# Altium PCB MD070B.PcbDoc (part 2 of 2)
Units mil, origin at the board's own origin, x right, y up, seen from the top; angles counter-clockwise.
Board outline 4255 x 2850 mil, 4 copper layers (Top Layer, Ground, Power, Bottom Layer), stack 61.6 mil thick; 162 components, 83 nets, 459 pads, 454 vias.
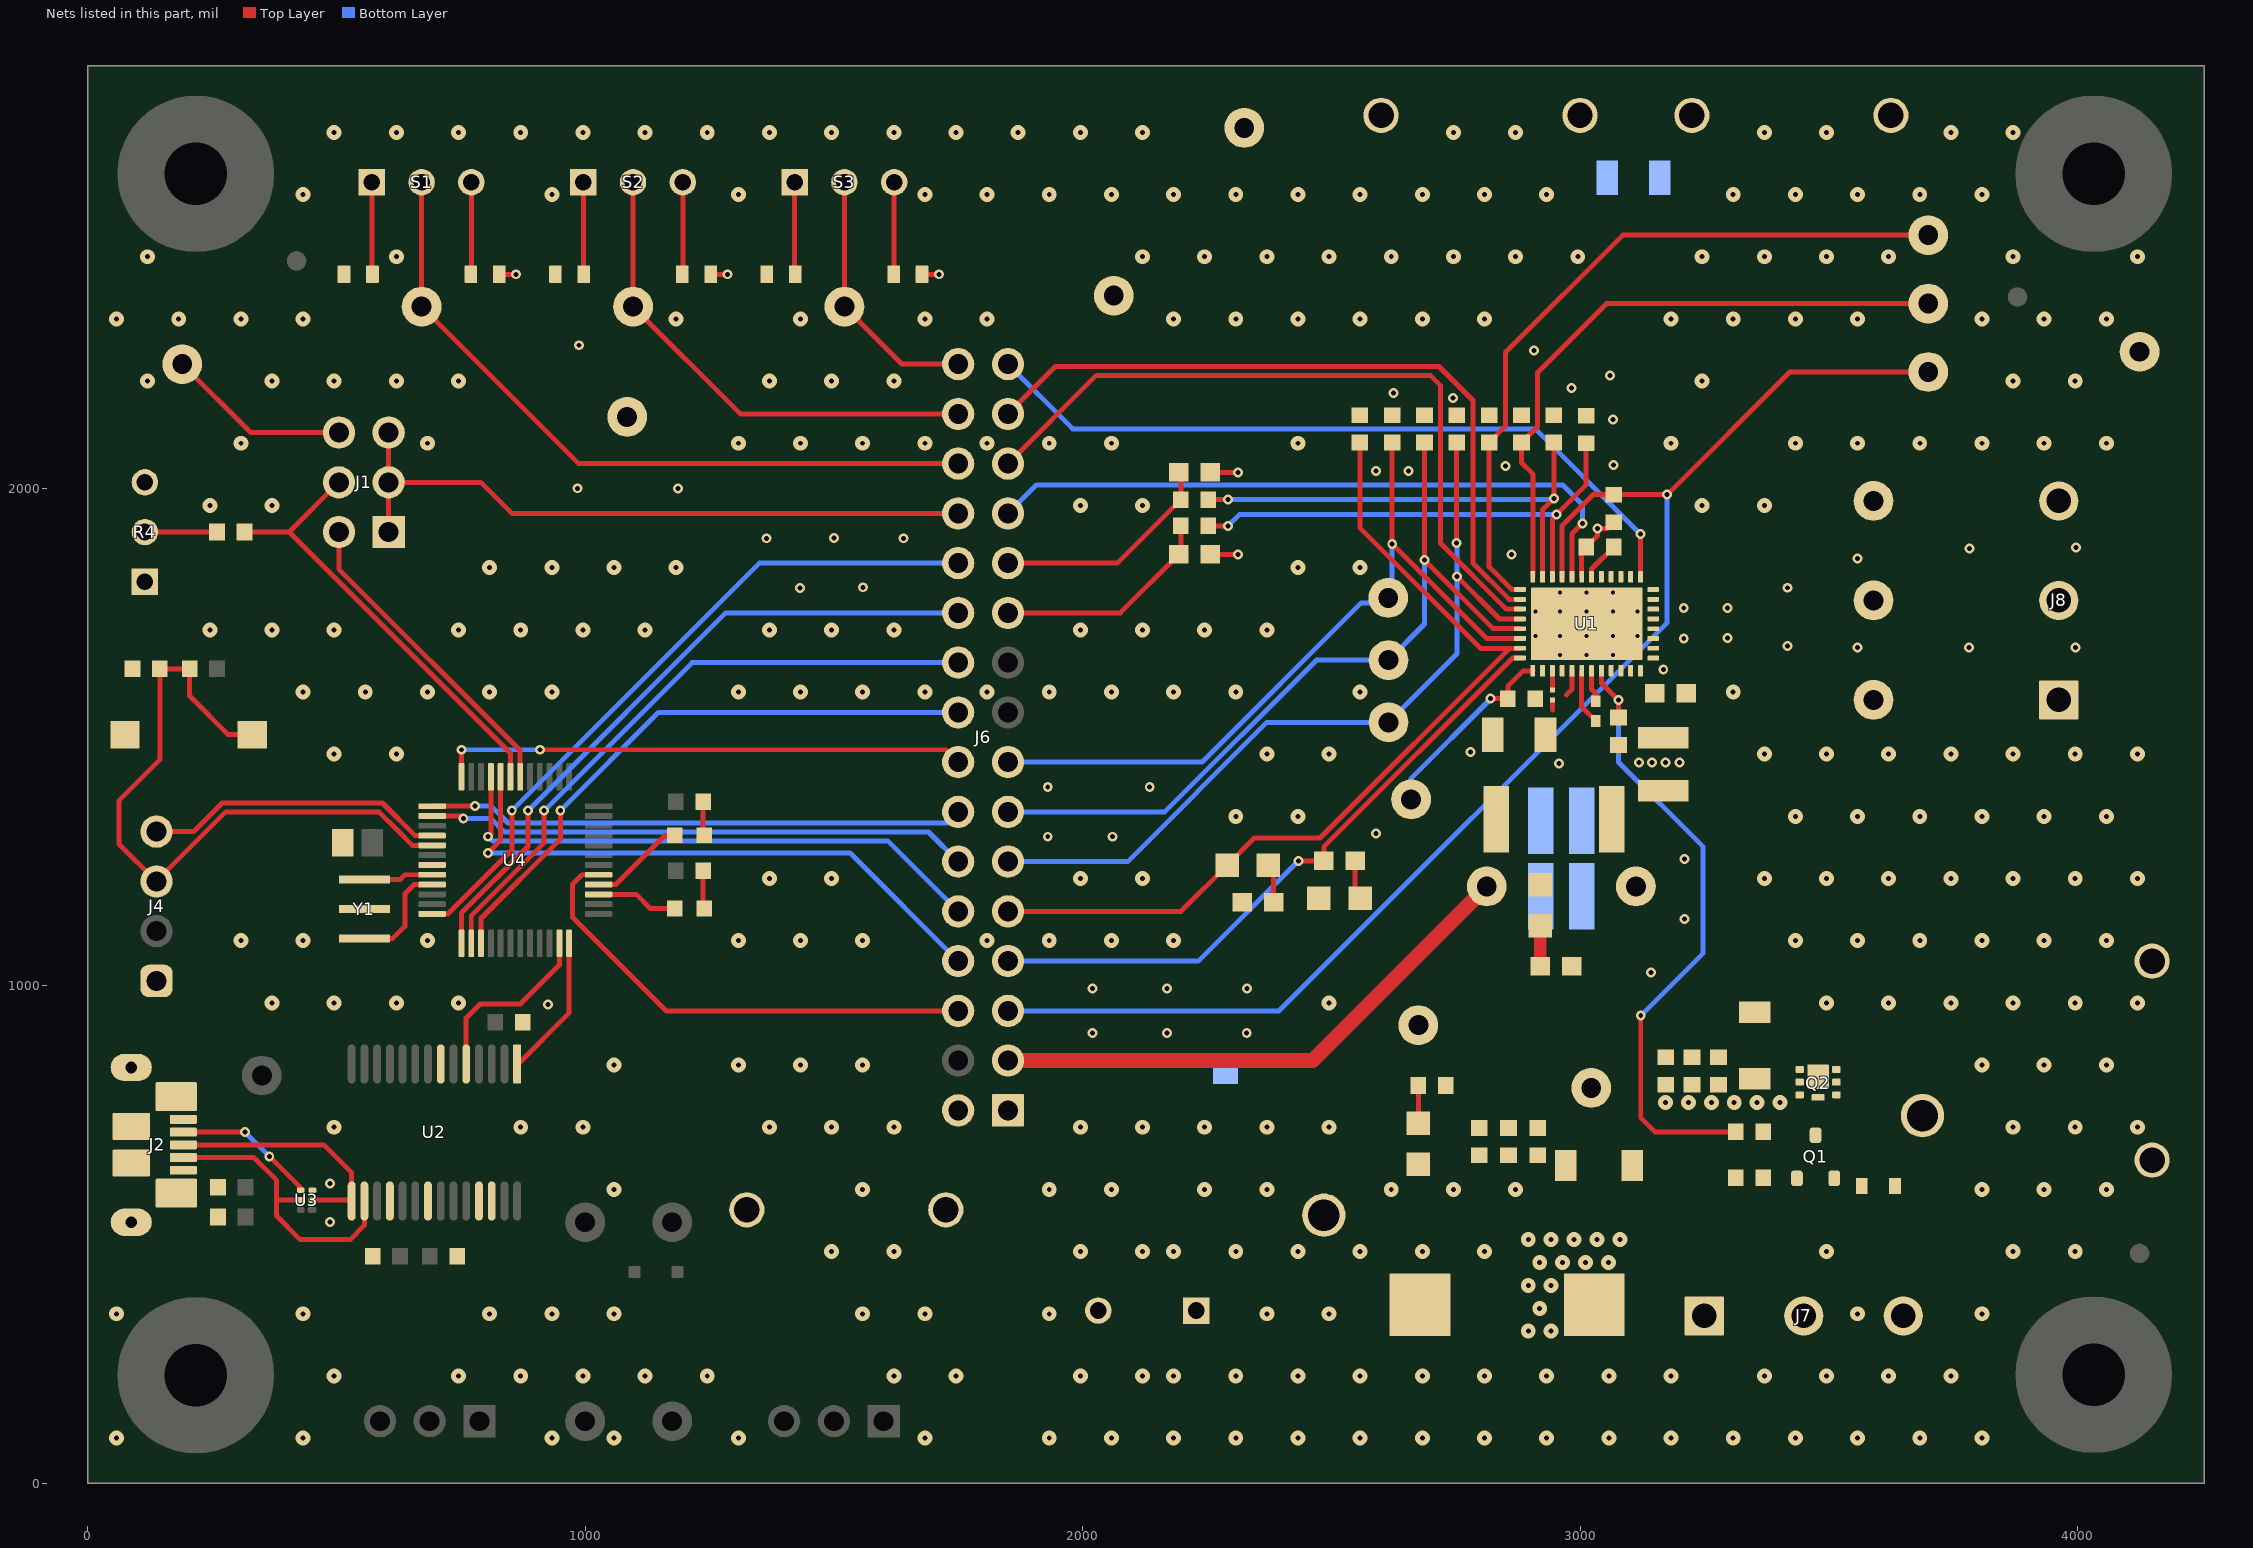
[diagram p4: the nets of this part, all layers, seen from the top]

## Via types
v1: diameter 30, hole 10, Top Layer to Bottom Layer, tented both sides, 326 vias
v2: diameter 20, hole 10, Top Layer to Bottom Layer, tented both sides, 90 vias
v3: diameter 19.68, hole 7.87, Top Layer to Bottom Layer, 16 vias
v4: diameter 19.68, hole 7.87, Top Layer to Bottom Layer, tented both sides, 16 vias
v5: diameter 20, hole 10, Top Layer to Bottom Layer, 6 vias

## Nets (pads, with @x,y where several pads share a name; then routed paths per layer and width w, separated by ;. In a path a pad name is that pad's centre, name@x,y a point inside that pad or via, vN(x,y) a via of type N, cw(c..) or ccw(c..) an arc to the next point about the centre after c; other vN are vias at no path point) (continued)
AGND: C4.2 C5.1 C6.1 C8.2 C9.2 C10.1 C11.2 C12.2 C13.2 J2.5 J2.6 J2.7 J2.8 J2.9 J2.10 J2.11 J4.1 J6.1 J6.2 NT2.1 R4.3 R6.1 R7.1 R8.1 R15.2 R16.2 R17.2 R18.2 R19.2 R20.2 R21.2 R22.2 R23.1 R25.1 R32.1 S4.2 TP26.1 TP26.2 TP27.1 TP27.2 TP30.1 TP31.1 TP32.1 U1.2 U1.4 U1.22 U1.23 U1.24 U1.25 U1.26 U1.41 U2.7 U2.18 U2.21 U2.25 U2.26 U3.3 U4.7 Y1.2 | length 78.4
  Top Layer w10: U1.26@3023.13,1822.5 3023.13,1838.07 C5.1@3067.56,1882.5
  other v1: 58,91 433,91 933,91 1058,91 1308,91 1683,91 495.5,216 745.5,216 870.5,216 995.5,216 1120.5,216 1245.5,216 1620.5,216 1745.5,216 58,341 433,341 808,341 933,341 1058,341 1558,341 1683,341 1495.5,466 1620.5,466 1058,591 1558,591 495.5,716 870.5,716 995.5,716 1370.5,716 1495.5,716 1620.5,716 1058,841 1308,841 1433,841 1558,841 370.5,966 495.5,966 620.5,966 745.5,966 2495.5,966 308,1091 433,1091 683,1091 1308,1091 1433,1091 1558,1091 1808,1091 1933,1091 2058,1091 2183,1091 1370.5,1216 1495.5,1216 1995.5,1216 2120.5,1216 2308,1341 2433,1341 495.5,1466 620.5,1466 2370.5,1466 2495.5,1466 433,1591 558,1591 683,1591 808,1591 933,1591 1308,1591 1433,1591 1558,1591 1683,1591 1808,1591 1933,1591 2058,1591 2183,1591 2308,1591 2558,1591 245.5,1716 370.5,1716 495.5,1716 745.5,1716 870.5,1716 995.5,1716 1120.5,1716 1370.5,1716 1495.5,1716 1620.5,1716 1995.5,1716 2120.5,1716 2245.5,1716 2370.5,1716 808,1841 933,1841 1058,1841 1183,1841 2433,1841 2558,1841 245.5,1966 370.5,1966 1995.5,1966 2120.5,1966 308,2091 683,2091 1308,2091 1433,2091 1558,2091 1683,2091 1808,2091 1933,2091 2058,2091 2433,2091 120.5,2216 370.5,2216 495.5,2216 620.5,2216 745.5,2216 1370.5,2216 1495.5,2216 1620.5,2216 58,2341 183,2341 308,2341 433,2341 1183,2341 1433,2341 1683,2341 1808,2341 2183,2341 2308,2341 2433,2341 2558,2341 2683,2341 2808,2341 120.5,2466 620.5,2466 2120.5,2466 2245.5,2466 2370.5,2466 2495.5,2466 2620.5,2466 2745.5,2466 2870.5,2466 2995.5,2466 433,2591 933,2591 1308,2591 1683,2591 1808,2591 1933,2591 2058,2591 2183,2591 2308,2591 2433,2591 2558,2591 2683,2591 2808,2591 2933,2591 495.5,2716 620.5,2716 745.5,2716 870.5,2716 995.5,2716 1120.5,2716 1245.5,2716 1370.5,2716 1495.5,2716 1620.5,2716 1745.5,2716 1870.5,2716 1995.5,2716 2120.5,2716 2745.5,2716 2870.5,2716
  other v2: 487.5,525.08 487.5,602.5 2020,905 2170,905 2330,905 925,962.5 2020.11,995.01 2170.11,995.01 2330.11,995.01 1930,1300 2060,1300 2590.13,1306.76 1930,1400 2135,1400 2957.5,1447.5 2780,1470 1431.5,1800 1558.5,1801.5 2862.5,1867.5 1365,1900 1500,1900.5 1640,1900 984.5,2000.5 1186.5,2000 2590.13,2035 2655,2035 2850,2045.39 3067.5,2047.5 3066.44,2139 2745,2181.65 2625,2192.28 2982.5,2202.5 3060,2227.5 2907.5,2277.5 988,2288
  other v3: 2960.14,1665.02 3013.29,1665.02 3066.44,1665.02 2910.93,1703.41 2960.14,1703.41 3013.29,1703.41 3066.44,1703.41 3115.65,1703.41 2910.93,1752.62 2960.14,1752.62 3013.29,1752.62 3066.44,1752.62 3115.65,1752.62 2960.14,1791 3013.29,1791 3066.44,1791
  other v4: 2960.14,1665.02 3013.29,1665.02 3066.44,1665.02 2910.93,1703.41 2960.14,1703.41 3013.29,1703.41 3066.44,1703.41 3115.65,1703.41 2910.93,1752.62 2960.14,1752.62 3013.29,1752.62 3066.44,1752.62 3115.65,1752.62 2960.14,1791 3013.29,1791 3066.44,1791
ALARM: D3.1 J6.9 R22.1 U1.39 | length 1842
  Top Layer w10: J6.9@1850,1150 2197.82,1150 D3.1@2290.82,1243 2345.3,1297.48 2477.2,1297.48 2858.44,1678.72 2879.35,1678.72 U1.39@2879.43,1678.8 2799.95,1678.8 2557.5,1921.25 R22.1@2557.5,2092.44
AVDD: C5.2 R1.2 R2.2 R3.2 R4.1 R10.2 R11.1 R12.1 TP7.1 U1.27 | length 365.1
  Top Layer w10: R1.2@826.33,2430.7 v2(861.27,2430.7) ; R2.2@1251.33,2430.7 v2(1286.27,2430.7) ; R3.2@1676.33,2430.7 v2(1711.27,2430.7) ; R12.1@2256.5,1867.5 v2(2312.5,1867.5) ; R11.1@2256.5,2032.5 v2(2312.5,2032.5) ; U1.27@3003.44,1822.5 3003.44,1873.5 C5.2@3012.44,1882.5 3035,1905.06 v2(3035,1920) 3055.06,1920 R10.2@3067.5,1932.44
BRAKE: J6.27 U1.35 | length 1483.5
  Top Layer w10: J6.27@1850,2050 2027.5,2227.5 2699.22,2227.5 2720,2206.72 2720,1889.44 2851.91,1757.54 U1.35@2879.43,1757.54
BRAKE_SW: J6.28 S1.2 TP2.1 | length 1459.5
  Top Layer w10: S1.2@671.27,2615.7 TP2.1@671.27,2365.7 986.97,2050 J6.28@1750,2050
CPH: C7.1 U1.7 | length 64.9
  Top Layer w10: U1.7@3023.13,1633.52 3023.13,1596.87 3031.83,1588.17 C7.1@3031.83,1572.18
CPL: C7.2 U1.6 | length 112.8
  Top Layer w10: U1.6@3003.44,1633.52 3003.44,1560.71 3031.34,1532.81 C7.2@3031.83,1532.81
DIR: J6.29 U1.34 | length 1454.6
  Top Layer w10: J6.29@1850,2150 1945.37,2245.37 2716.63,2245.37 2785,2177 2785,1849.72 2857.5,1777.22 U1.34@2879.43,1777.22
DIR_SW: J6.30 S2.2 TP3.1 | length 993.1
  Top Layer w10: S2.2@1096.27,2615.7 TP3.1@1096.27,2365.7 1311.97,2150 J6.30@1750,2150
DM: J2.2 U2.16 U3.5 | length 585.4
  Top Layer w10: J2.2@192.22,655 334.14,655 380,609.14 380,570 ; U3.5@428.19,569.59 380.41,569.59 380,570 ; U2.16@556.23,569.59 556.23,518.73 527.5,490 427.5,490 380,537.5 380,570
DP: J2.3 U2.15 U3.2 | length 495.3
  Top Layer w10: J2.3@192.22,680.59 474.41,680.59 530.64,624.36 530.64,569.59 U3.2@451.81,569.59
DRVOFF: J6.31 U1.21 | length 1498.9
  Top Layer w10: U1.21@3121.56,1822.5 v2(3121.56,1908.33)
  Bottom Layer w10: J6.31@1850,2250 1980,2120 2909.88,2120 v2(3121.56,1908.33)
DRVOFF_SW: J6.32 S3.2 TP4.1 | length 526.7
  Top Layer w10: S3.2@1521.27,2615.7 TP4.1@1521.27,2365.7 1636.97,2250 J6.32@1750,2250
DVDD: C6.2 TP8.1 U1.1 | length 391.4
  Top Layer w10: v2(2820,1577.5) C6.2@2854.94,1577.5 2854.94,1602.44 2886.02,1633.52 U1.1@2905.02,1633.52
  Bottom Layer w10: TP8.1@2660.5,1375 2660.5,1417.5 2820,1577 v2(2820,1577.5)
EXT_CLK: R18.1 TP13.1 U1.33 | length 1472.7
  Top Layer w10: R18.1@2817.5,2092.44 2817.5,1842.5 2863.09,1796.91 U1.33@2879.43,1796.91 ; R18.1@2817.5,2092.5 2850,2125 2850,2273.28 3085.97,2509.25 TP13.1@3700,2509.25
EXT_WD: R17.1 TP12.1 U1.32 | length 1275.1
  Top Layer w10: U1.32@2905.02,1823.5 2905.02,2029.56 2882.5,2052.08 R17.1@2882.5,2092.44 2914.86,2124.81 2914.86,2233.36 3053.25,2371.75 TP12.1@3700,2371.75
FB_BUCK: NT1.1 U1.3 | length 38.5
  Top Layer w10: NT1.1@2944.39,1595 U1.3@2944.39,1633.52
FG: J6.5 R10.1 TP17.1 U1.29 | length 2872.5
  Top Layer w10: U1.29@2964.07,1822.5 2964.07,1925.59 3026.04,1987.56 R10.1@3067.5,1987.56 v2(3175.06,1987.56) 3421.75,2234.25 TP17.1@3700,2234.25
  Bottom Layer w10: J6.5@1850,950 2395,950 3175.06,1730.06 v2(3175.06,1987.56)
ID: J2.4 U3.4 | length 287.3
  Top Layer w10: J2.4@192.22,706.18 v2(316.27,706.18) ; v2(365,657.5) 428.19,594.31 U3.4@428.19,589.28
  Bottom Layer w10: v2(316.27,706.18) 364.95,657.5 v2(365,657.5)
MCX_SCL: J6.23 R11.2 R13.1 | length 456.9
  Top Layer w10: J6.23@1850,1850 2069.94,1850 R13.1@2197.44,1977.5 2197.44,2028.56 R11.2@2193.5,2032.5
MCX_SDA: J6.21 R12.2 R14.1 | length 451.3
  Top Layer w10: J6.21@1850,1750 2076,1750 R12.2@2193.5,1867.5 2197.44,1871.44 R14.1@2197.44,1925
MSP_A1_P1.1: J6.12 U4.2 | length 1094.7
  Top Layer w10: U4.2@693.3,1341.67 750.24,1341.67 v2(755,1336.91)
  Bottom Layer w10: v2(755,1336.91) 810.31,1336.91 837.6,1309.63 1690.37,1309.63 J6.12@1750,1250
MSP_A2_P1.2: J6.14 U4.1 | length 1070.7
  Top Layer w10: U4.1@693.3,1361.36 v2(778.64,1361.36)
  Bottom Layer w10: v2(778.64,1361.36) 811.14,1361.36 845,1327.5 J6.14@1750,1327.5
MSP_A3_P1.3: J6.16 U4.48 | length 1063.4
  Top Layer w10: U4.48@751.37,1420.41 v5(751.37,1474.85) ; v5(909.45,1474.85) 1725.15,1474.85 J6.16@1750,1450
  Bottom Layer w10: v5(751.37,1474.85) v5(909.45,1474.85)
MSP_ALARM_P3.2: J6.10 U4.45 | length 1130.1
  Top Layer w10: v2(805,1300) 810.43,1305.43 810.43,1419.43 U4.45@811.33,1420.33
  Bottom Layer w10: v2(805,1300) 813.25,1291.75 1608.25,1291.75 J6.10@1750,1150
MSP_CLK_P4.5: J6.20 U4.14 | length 1282.1
  Top Layer w10: U4.14@771.06,1086.75 771.06,1141.3 917.5,1287.74 v2(917.5,1352.5)
  Bottom Layer w10: v2(917.5,1352.5) 1215,1650 J6.20@1750,1650
MSP_FG_P2.1: J6.6 U4.29 | length 978.8
  Top Layer w10: U4.29@1025.98,1223.56 993.56,1223.56 975,1205 975,1137.5 1162.5,950 J6.6@1750,950
MSP_LED0_P2.2: D6.2 U4.28 | length 195.1
  Top Layer w10: U4.28@1025.98,1203.88 1061.68,1203.88 1160.49,1302.7 D6.2@1180.11,1302.7
MSP_LED1_P2.3: D7.2 U4.27 | length 166
  Top Layer w10: U4.27@1025.98,1184.19 1102.5,1184.19 1131.1,1155.59 D7.2@1180.11,1155.59
MSP_nFAULT_P3.3: J6.8 U4.44 | length 1197.4
  Top Layer w10: v2(805,1267.5) 829.63,1292.13 829.63,1418.94 U4.44@830.11,1419.43
  Bottom Layer w10: v2(805,1267.5) 1532.5,1267.5 J6.8@1750,1050
MSP_PWM: J1.2 U4.42 | length 643.1
  Top Layer w10: J1.2@505.01,1912.5 505.01,1837.78 869.48,1473.31 U4.42@869.48,1420.41
MSP_RX_P4.3: U2.5 U4.23 | length 370.2
  Top Layer w10: U2.5@760.96,841.24 760.96,935.49 789.25,963.78 869.75,963.78 948.22,1042.25 U4.23@948.22,1086.75
MSP_SBWTCK: J4.4 U4.4 | length 617.6
  Top Layer w10: J4.4@145.74,1302.3 137.86,1310.18 212.58,1310.18 270.27,1367.87 592.8,1367.87 658.37,1302.3 U4.4@693.3,1302.3
MSP_SBWTDIO/nRST: C12.1 J4.3 R27.1 S4.1 U4.5 | length 1406.7
  Top Layer w10: S4.1@330.96,1505.27 282.5,1505.27 204.94,1582.83 R27.1@204.94,1637.5 C12.1@145.06,1637.5 145.06,1455 62.5,1372.44 62.5,1285.54 137.86,1210.18 277.68,1350 585.35,1350 624.97,1310.37 ; 625.02,1310.37 650.41,1284.98 ; 650.41,1284.94 652.73,1282.62 U4.5@693.3,1282.62
MSP_SIMO/SDA_P4.6: J6.22 U4.13 | length 1350.7
  Top Layer w10: U4.13@751.37,1086.75 751.37,1146.89 885,1280.52 v2(885,1352.5)
  Bottom Layer w10: v2(885,1352.5) 1282.5,1750 J6.22@1750,1750
MSP_SOMI/SCL_P4.7: J6.24 U4.12 | length 1396.5
  Top Layer w10: U4.12@694.21,1145.73 693.3,1144.82 724.03,1144.82 852.5,1273.3 v2(852.5,1352.5)
  Bottom Layer w10: v2(852.5,1352.5) 1350,1850 J6.24@1750,1850
MSP_STE_P4.4: J6.18 U4.15 | length 1213.5
  Top Layer w10: U4.15@790.74,1086.75 790.74,1135.71 950,1294.96 v2(950,1352.5)
  Bottom Layer w10: v2(950,1352.5) 1147.5,1550 J6.18@1750,1550
MSP_TX_P4.2: U2.1 U4.24 | length 288.8
  Top Layer w10: U2.1@863.32,841.24 967.91,945.83 U4.24@967.91,1086.75
MSP_XIN_P2.7: U4.8 Y1.1 | length 141.2
  Top Layer w10: Y1.1@556.22,1213.72 627.85,1213.72 637.69,1223.56 U4.8@693.3,1223.56
MSP_XOUT_P2.6: U4.9 Y1.3 | length 221.8
  Top Layer w10: Y1.3@556.83,1095 Y1.3@556.22,1095.61 613.11,1095.61 637.5,1120 637.5,1185 656.38,1203.88 693.3,1203.88 U4.9@693.3,1202.97
NetC15_1: C15.1 C16.1 C17.1 C18.1 L4.1 Q2.1 Q2.2 Q2.5 Q2.6 Q2.7
  other v1: 2896,306 2942,306 2919,352 2896,398 2942,398 2919,444 2965,444 3011,444 3057,444 2896,490 2942,490 2988,490 3034,490 3080,490 3172,766 3218,766 3264,766 3310,766 3356,766 3402,766
NetD1_2: D1.2 R23.2 | length 81.2
  Top Layer w25: R23.2@2920,1040 D1.2@2920,1121.16
NetD2_2: D2.2 R24.2 | length 79.1
  Top Layer w10: R24.2@2548,1251.5 2548,1186.34 D2.2@2557.84,1176.5
NetD3_2: D3.2 R25.2 | length 79.3
  Top Layer w10: D3.2@2373.5,1243 2384,1232.5 R25.2@2384,1168
NetD4_2: D4.2 R26.2 | length 76.2
  Top Layer w10: D4.2@2675,723.84 R26.2@2675,800
NetD6_1: D6.1 R28.1 | length 68.3
  Top Layer w10: R28.1@1237.2,1370.2 1237.2,1304.67 D6.1@1239.17,1302.7
NetD7_1: D7.1 R29.1 | length 76.7
  Top Layer w10: R29.1@1237.2,1231.43 1237.2,1157.56 D7.1@1239.17,1155.59
NetD8_2: D8.2 Q1.2
NetJ1_6: J1.6 TP1.1 | length 372
  Top Layer w10: TP1.1@190,2250 327.5,2112.5 J1.6@505.01,2112.5
NetJ2_1: J2.1 L3.2
NetQ1_1: Q1.1 R31.1
NetQ1_3: Q1.3 Q2.3 R30.2
NetR1_1: R1.1 S1.3 | length 185
  Top Layer w10: R1.1@771.27,2430.7 S1.3@771.27,2615.7
NetR2_1: R2.1 S2.3 | length 185
  Top Layer w10: R2.1@1196.27,2430.7 S2.3@1196.27,2615.7
NetR3_1: R3.1 S3.3 | length 185
  Top Layer w10: R3.1@1621.27,2430.7 S3.3@1621.27,2615.7
NetR4_2: R4.2 R5.2 | length 144.9
  Top Layer w10: R4.2@115,1912.5 R5.2@259.94,1912.5
NetR6_2: R6.2 S1.1 | length 185
  Top Layer w10: S1.1@571.27,2615.7 571.27,2430.76 R6.2@571.33,2430.7
NetR7_2: R7.2 S2.1 | length 185
  Top Layer w10: R7.2@996.27,2430.7 S2.1@996.27,2615.7
NetR8_2: R8.2 S3.1 | length 185
  Top Layer w10: R8.2@1421.27,2430.7 S3.1@1421.27,2615.7
nFAULT: J6.7 R24.1 U1.40 | length 1298.4
  Top Layer w10: v2(2434,1251.5) R24.1@2485,1251.5 2485,1280 2864.11,1659.11 U1.40@2879.43,1659.11
  Bottom Layer w10: J6.7@1850,1050 2232.5,1050 v2(2434,1251.5)
OUTA: J8.1 TP9.1 U1.13 U1.14
OUTB: J8.2 TP10.1 U1.16 U1.17
OUTC: J8.3 TP11.1 U1.19 U1.20
PGND: C2.2 C3.2 C14.2 C15.2 C16.2 C17.2 C18.2 C19.2 C20.2 C21.2 C22.2 J7.2 NT2.2 R26.1 R31.2 R32.2 TP25.1 TP28.1 TP28.2 TP29.1 TP29.2 TP33.1 U1.12 U1.15 U1.18
  other v1: 1933,91 2058,91 2183,91 2308,91 2433,91 2558,91 2683,91 2808,91 2933,91 3058,91 3183,91 3308,91 3433,91 3558,91 3683,91 3808,91 1995.5,216 2120.5,216 3370.5,216 3495.5,216 3620.5,216 3745.5,216 1933,341 3558,341 3808,341 1995.5,466 2120.5,466 3495.5,466 3870.5,466 3995.5,466 1933,591 2058,591 3808,591 3933,591 4058,591 1995.5,716 2120.5,716 2245.5,716 2370.5,716 2495.5,716 3870.5,716 3995.5,716 4120.5,716 3808,841 3933,841 4058,841 3495.5,966 3620.5,966 3745.5,966 3870.5,966 3995.5,966 4120.5,966 3433,1091 3558,1091 3683,1091 3808,1091 3933,1091 4058,1091 3370.5,1216 3495.5,1216 3620.5,1216 3745.5,1216 3870.5,1216 3995.5,1216 4120.5,1216 3433,1341 3558,1341 3683,1341 3808,1341 3933,1341 4058,1341 3370.5,1466 3495.5,1466 3620.5,1466 3745.5,1466 3870.5,1466 3995.5,1466 4120.5,1466 3308,1591 3245.5,1966 3370.5,1966 3183,2091 3433,2091 3558,2091 3683,2091 3808,2091 3933,2091 4058,2091 3245.5,2216 3870.5,2216 3995.5,2216 3183,2341 3308,2341 3433,2341 3558,2341 3808,2341 3933,2341 4058,2341 3245.5,2466 3370.5,2466 3495.5,2466 3620.5,2466 3870.5,2466 4120.5,2466 3308,2591 3433,2591 3558,2591 3683,2591 3808,2591 3370.5,2716 3495.5,2716 3745.5,2716 3870.5,2716
  other v2: 3142.5,1027.5 3210,1135 3210,1255 3167.36,1636.1 3782,1680 3996.5,1680 3558,1680.83 3417.31,1683.12 3208.52,1698.61 3296.62,1699.05 3208.52,1760 3296.62,1760.16 3417.31,1800.54 3558,1859.49 3783,1879 3997,1881
PIN_36: J6.11 R19.1 TP16.1 U1.36 | length 1663.2
  Top Layer w10: v5(2752,1890.5) 2752,2091.94 R19.1@2752.5,2092.44 ; v5(2752.5,1823.5) 2838.15,1737.85 U1.36@2879.43,1737.85
  Bottom Layer w10: J6.11@1850,1250 2090.49,1250 2370.49,1530 TP16.1@2615,1530 2752.5,1667.5 v5(2752.5,1823.5) 2752.25,1823.75 2752.25,1890.25 v5(2752,1890.5)
PIN_37: J6.13 R20.1 TP14.1 U1.37 | length 1607.8
  Top Layer w10: R20.1@2687.5,2092.44 v5(2687.5,1856) 2825.33,1718.17 U1.37@2879.43,1718.17
  Bottom Layer w10: J6.13@1850,1350 2165.21,1350 2470.21,1655 TP14.1@2615,1655 2687.5,1727.5 v5(2687.5,1856)
PIN_38: J6.15 R21.1 TP15.1 U1.38 | length 1552.6
  Top Layer w10: R21.1@2622.5,2092.44 v5(2622.5,1888.6) 2812.61,1698.48 U1.38@2879.43,1698.48
  Bottom Layer w10: J6.15@1850,1450 2239.93,1450 2559.5,1769.57 2604.07,1769.57 TP15.1@2614.5,1780 2622.5,1788 v5(2622.5,1888.6)
POT: J1.4 R5.1 U4.43 | length 907.7
  Top Layer w10: R5.1@315.06,1912.5 405.01,1912.5 ; J1.4@505.01,2012.5 405.01,1912.5 ; U4.43@849.8,1420.41 849.8,1467.71 405.01,1912.5
SCL: R13.2 R16.1 U1.31 | length 973.9
  Top Layer w10: R13.2@2252.56,1977.5 v2(2292.5,1977.5) ; U1.31@2924.7,1822.5 2924.7,1957.2 v2(2947.5,1980) R16.1@2947.5,2090.94
  Bottom Layer w10: v2(2292.5,1977.5) 2945,1977.5 v2(2947.5,1980)
SDA: R14.2 R15.1 U1.30 | length 1005.9
  Top Layer w10: R14.2@2252.56,1925 v2(2292.5,1925) ; U1.30@2944.39,1822.5 2944.39,1939.39 v2(2952.5,1947.5) 3012.5,2007.5 R15.1@3012.5,2090.94
  Bottom Layer w10: v2(2292.5,1925) 2315,1947.5 v2(2952.5,1947.5)
SPEED: J6.25 U1.28 | length 1348.8
  Top Layer w10: U1.28@2983.76,1822.5 2983.76,1908.76 v2(3005,1930)
  Bottom Layer w10: J6.25@1850,1950 1907.09,2007.09 2965.41,2007.09 3005,1967.5 v2(3005,1930)
SPEED_IN: J1.1 J1.3 J1.5 J6.26 | length 1370.9
  Top Layer w10: J1.1@605.01,1912.5 J1.3@605.01,2012.5 ; J1.5@605.01,2112.5 J1.3@605.01,2012.5 ; J6.26@1750,1950 852.5,1950 790,2012.5 J1.3@605.01,2012.5
SW_BUCK: L1.1 L2.1 R9.1 TP5.1 U1.5 | length 52.9
  Top Layer w10: 2972.5,1585.3 2983.76,1596.56 U1.5@2983.76,1633.52
VBAT: D8.1 J7.3 Q2.4 Q2.8 TP23.1
VBK: C4.1 D1.1 D2.1 J6.3 L1.2 L2.2 NT1.2 R9.2 TP6.1 | length 1127.5
  Top Layer w10: 2944.39,1555 NT1.2@2944.39,1575
  Top Layer w30: J6.3@1850,850 2462.5,850 TP6.1@2812.5,1200
VCP: C1.1 R30.1 U1.8 | length 1273.2
  Top Layer w10: U1.8@3042.82,1633.52 3042.82,1609.18 v2(3077.5,1574.49) C1.1@3077.5,1539.55 ; v2(3122.11,940.29) 3122.11,735.08 3150.55,706.64 R30.1@3313.4,706.64
  Bottom Layer w10: v2(3077.5,1574.49) 3077.5,1450 3247.5,1280 3247.5,1065.68 v2(3122.11,940.29)
VM: C1.2 C2.1 C3.1 C14.1 C19.1 C20.1 C21.1 C22.1 D4.1 J7.1 L4.2 TP24.1 U1.9 U1.10 U1.11
  other v1: 2183,216 2308,216 2433,216 2558,216 2683,216 2808,216 2933,216 3058,216 3183,216 2370.5,341 2495.5,341 2183,466 2308,466 2433,466 2558,466 2683,466 2808,466 2245.5,591 2370.5,591 2620.5,591 2745.5,591 2870.5,591
  other v2: 3118.56,1449.32 3144.95,1449.14 3171.79,1448.96 3199.95,1449.32
pads on no net: FID1.1 FID2.1 FID3.1 H1.1 H2.1 H3.1 H4.1 H5.0 H6.0 H7.0 H8.0 J6.4 J6.17 J6.19 LBL1.0 SH-J1.0 SH-J2.0 SH-J3.0 SH-J4.0 SH-J5.0 SH-J6.0 SH-J7.0 SH-J8.0 SH-J9.0 SH-J10.0 SH-J11.0 SH-J12.0 SH-J13.0 SH-J14.0 SH-J15.0 SH-J16.0 SH-J17.0 SH-J18.0 SH-J19.0 U2.2 U2.3 U2.6 U2.8 U2.9 U2.10 U2.11 U2.12 U2.13 U2.14 U2.19 U2.22 U2.23 U2.24 U2.27 U2.28 U3.1 U4.3 U4.10 U4.11 U4.16 U4.17 U4.18 U4.19 U4.20 U4.21 U4.22 U4.25 U4.26 U4.30 U4.31 U4.32 U4.33 U4.34 U4.35 U4.36 U4.37 U4.38 U4.39 U4.40 U4.41 U4.46 U4.47

## Polygon pours and split planes (outlines as drawn)
DVDD on Top Layer "TOP_LAYER_DVDD_P229" (solid, remove dead copper, pour order 229): 2911.5,1620 2889.89,1598.38 2889.89,1555.11 2890,1555 2807.5,1555 2807.5,1589.48 2865.52,1647.5 2911.5,1647.5
VM on Top Layer "TOP_LAYER_VM_P233" (solid, remove dead copper, pour order 233): 3112.64,1651.99 3112.64,1616.99 3185.45,1616.99 3185.45,1564.51 3215,1564.19 3215,1424.49 3050,1424.49 3050,1517.44 3050,1586.99 3050,1651.99
SW_BUCK on Top Layer "TOP_LAYER_SW_BUCK_P231" (solid, remove dead copper, pour order 231): 3215,1262.5 3097.5,1380 3097.5,1497.5 2955,1602.5 2955,1150 3215,1150
VBK on Top Layer "TOP_LAYER_VBK_P223" (solid, remove dead copper, pour order 223): 2445,1099.95 2445,1205 2567.25,1204.75 2842.5,1480 2842.5,1559.49 2955,1559.49 2955,1099.95
OUTC on Top Layer "TOP_LAYER_OUTC_P243" (solid, remove dead copper, pour order 243): 3132.5,1772.64 3307.1,1772.64 3593.09,1899.49 4112.5,1899.49 4112.5,2046.99 4075,2046.99 3538.61,2046.99 3296.62,1805 3132.5,1805
OUTB on Top Layer "TOP_LAYER_OUTB_P241" (solid, remove dead copper, pour order 241): 3330.84,1745.77 3621.84,1859.49 4112.5,1859.49 4112.5,1699.49 3418.8,1699.49 3344.06,1713.58 3132.5,1713.58 3132.5,1745.77
OUTA on Top Layer "TOP_LAYER_OUTA_P239" (solid, remove dead copper, pour order 239): 3132.5,1685 3345,1685 3436.11,1661.99 4112.5,1661.99 4112.5,1494.49 3470,1494.49 3310,1654.49 3132.5,1654.49
5VCC on Top Layer "TOP_LAYER_5VCC_P237" (solid, remove dead copper, pour order 237): 707.79,434.34 603.09,434.34 603.09,481.84 707.79,481.84